# Altium PCB DIOT_temperature_logger.PcbDoc (part 8 of 8)
Units mm, origin at the board's own origin, x right, y up, seen from the top; angles counter-clockwise.
Board outline 300.88 x 109 mm, 4 copper layers (TOP, MID1, MID2, BOT), stack 1.564 mm thick; 654 components, 622 nets, 3422 pads, 1095 vias.
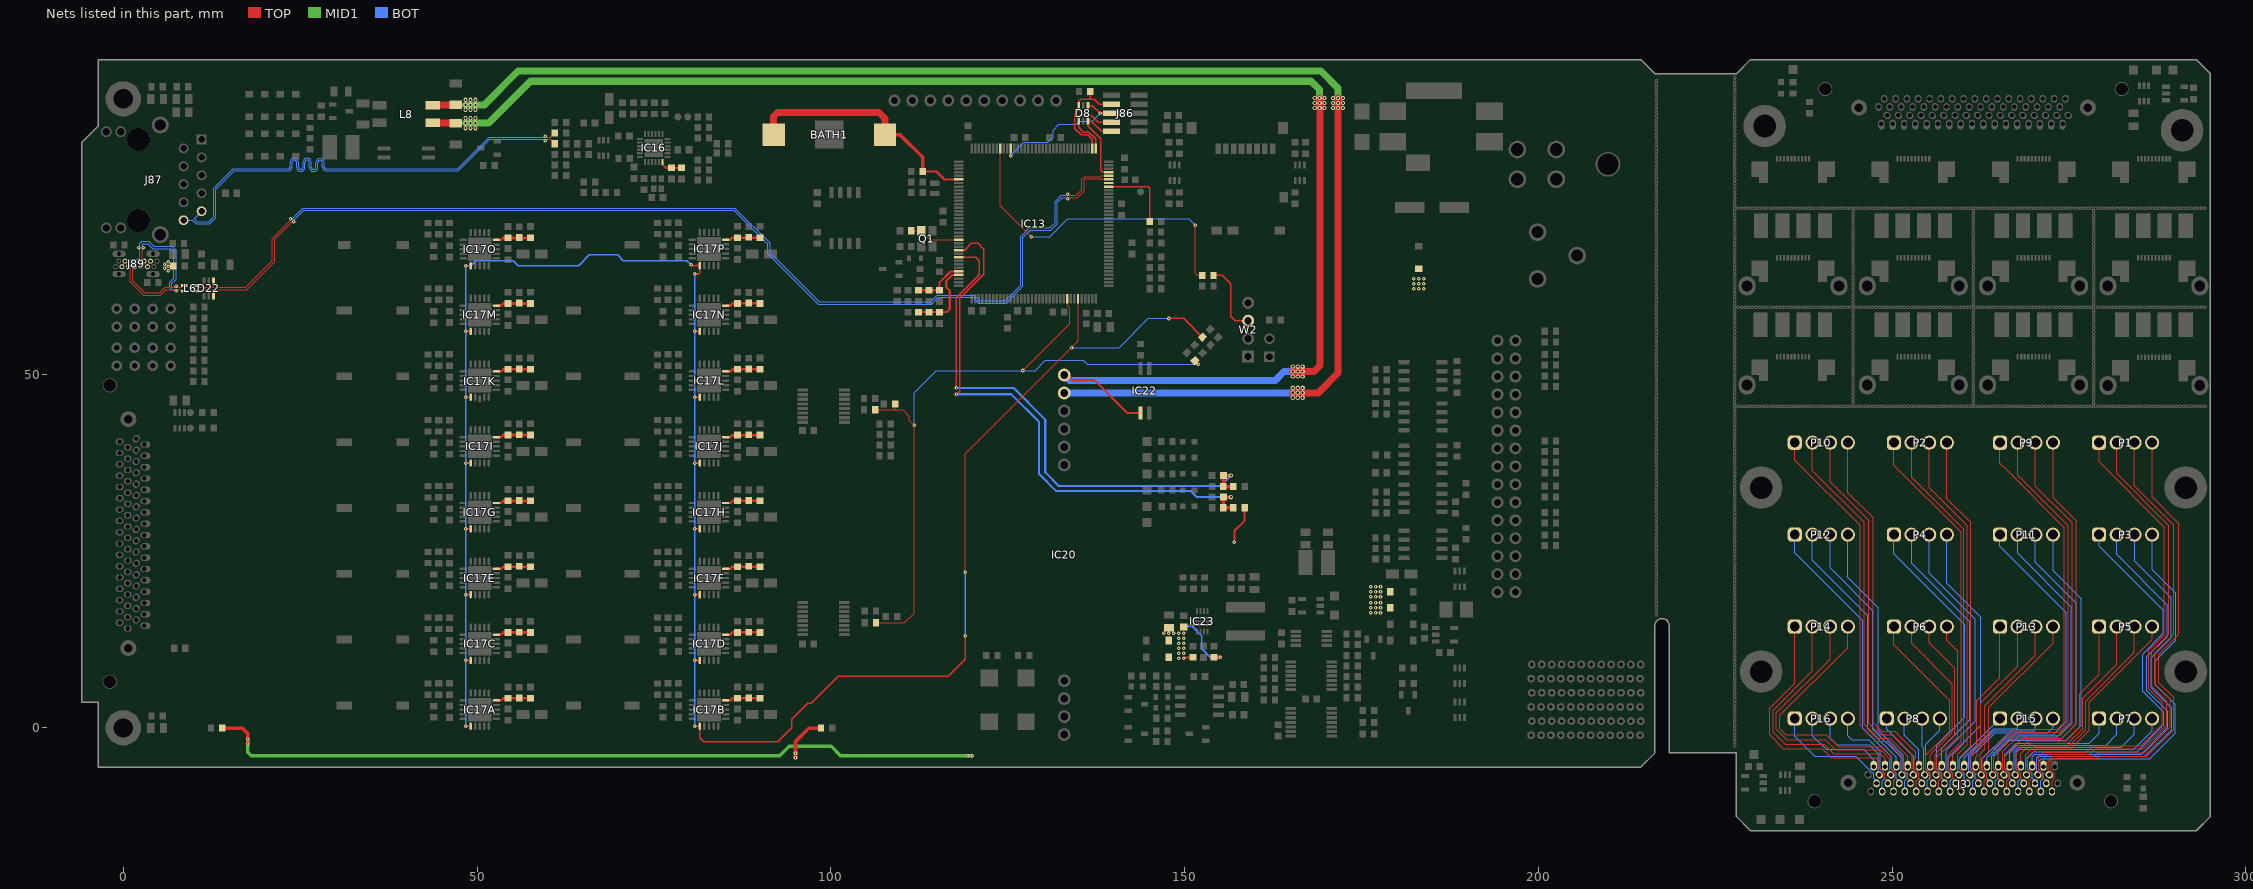
[diagram p10: the nets of this part, all layers, seen from the top]

## Via types
v1: diameter 0.5, hole 0.2, TOP to BOT, tented both sides, 913 vias
v2: diameter 0.5, hole 0.2, TOP to BOT, 98 vias
v3: diameter 0.6, hole 0.3, TOP to BOT, tented both sides, 84 vias

## Nets (pads, with @x,y where several pads share a name; then routed paths per layer and width w, separated by ;. In a path a pad name is that pad's centre, name@x,y a point inside that pad or via, vN(x,y) a via of type N, cw(c..) or ccw(c..) an arc to the next point about the centre after c; other vN are vias at no path point) (continued)
SPI4_MOSI: IC13.67 IC17A.11 IC17B.11 IC17C.11 IC17D.11 IC17E.11 IC17F.11 IC17G.11 IC17H.11 IC17I.11 IC17J.11 IC17K.11 IC17L.11 IC17M.11 IC17N.11 IC17O.11 IC17P.11 R129.1 | length 300
  TOP w0.152: v1(118.98,21.975) 118.98,38.725 134.93,54.675 IC13.67@134.93,60.625
  TOP w0.2: v2(80.255,65.425) 80.355,65.325 81.055,65.325 ; v1(80.78,0.225) IC17B.11@81.48,0.225 81.48,-1.4 82.055,-1.975 92.485,-1.975 94.455,-0.005 94.455,1.185 96.732,3.462 97.217,3.462 101.055,7.3 116.605,7.3 118.98,9.675 v1(118.98,13) ; v1(147.78,57.85) 149.855,57.85 R129.1@152.564,55.141
  TOP w0.254: v1(48.38,0.225) IC17A.11@49.08,0.225 ; v1(48.38,9.525) IC17C.11@49.08,9.525 ; v1(48.38,18.825) IC17E.11@49.08,18.825 ; v1(48.38,28.125) IC17G.11@49.08,28.125 ; v1(48.38,37.425) IC17I.11@49.08,37.425 ; v1(48.38,46.725) IC17K.11@49.08,46.725 ; v1(48.38,56.025) IC17M.11@49.08,56.025 ; v1(48.38,65.3) IC17O.11@49.08,65.3 ; v1(80.78,9.525) IC17D.11@81.48,9.525 ; v1(80.78,18.825) IC17F.11@81.48,18.825 ; v1(80.78,28.125) IC17H.11@81.48,28.125 ; v1(80.78,37.425) IC17J.11@81.48,37.425 ; v1(80.78,46.725) IC17L.11@81.48,46.725 ; v1(80.78,56.025) IC17N.11@81.48,56.025 ; v1(80.78,64.15) 81.33,64.15 81.48,64.3 IC17P.11@81.48,65.325 81.055,65.325
  BOT w0.152: v2(134.014,53.734) 140.764,53.734 144.88,57.85 v1(147.78,57.85)
  BOT w0.2: v1(48.38,0.225) v1(48.38,18.825) v1(48.38,65.3) 49.08,65.3 49.818,66.038 55.143,66.038 55.855,65.325 64.38,65.325 65.88,66.825 69.88,66.825 70.68,66.025 79.655,66.025 v2(80.255,65.425) ; v1@80.78,0.25 v1(80.78,9.525) v1(80.78,18.825) v1(80.78,28.125) v1(80.78,46.725) v1(80.78,56.025) v1(80.78,64.15) ; v1(118.98,13) v1(118.98,21.975)
SPI4_NSS: IC13.64 R126.1 R127.1 R128.1 R131.1 | length 100.6
  TOP w0.152: R127.1@106.38,14.85 110.38,14.85 111.755,16.225 v1(111.755,42.775) 111.105,43.425 111.105,43.975 ; v1(127.13,50.5) 127.155,50.5 133.73,57.075 133.73,57.15
  TOP w0.171: R128.1@106.28,44.95 109.129,44.95 ; R126.1@109.08,45.75 109.129,45.701 109.129,44.95 ; 111.105,43.975 110.13,44.95 109.129,44.95 ; IC13.64@133.43,60.625 133.43,59.7 133.73,59.4 133.73,57.15
  TOP w0.5: R131.1@151.446,51.884 v1(151.955,51.375)
  BOT w0.152: v1(111.755,42.775) 111.755,47.375 114.88,50.5 v1(127.13,50.5) 128.855,50.5 130.28,51.925 135.706,51.925 136.256,51.375 v1(151.955,51.375)
STRIP2: R73.1 | length 6.7
  TOP w0.5: v2(95.005,-4.25) v2(95.005,-3.582) 95.005,-1.935 96.89,-0.05 R73.1@98.6,-0.05
STRIP3: R74.1 | length 110.9
  TOP w0.5: R74.1@14,-0.05 16.845,-0.05 17.595,-0.8 v2(17.595,-1.625) v2(17.595,-2.25)
  MID1 w0.5: v2(17.595,-1.625) v2(17.595,-2.25) 17.595,-3.445 18.1,-3.95 92.76,-3.95 94.1,-2.61 100.05,-2.61 101.415,-3.975 v2(119.342,-3.975) v2(119.967,-3.975)
SWCLK: D8.1 IC13.109 J86.4 | length 11.1
  TOP w0.2: IC13.109@137.43,81.875 137.43,83.25 136.48,84.2 135.68,84.2 135.03,84.85 D8.1@135.03,85.75 135.03,86.428 135.152,86.55 136.805,86.55 137.775,85.58 J86.4@139.63,85.58
SWDIO: D8.3 IC13.105 J86.2 | length 12.9
  TOP w0.2: IC13.105@139.305,78.5 138.43,78.5 138.155,78.775 138.155,83.253 136.33,85.078 D8.3@136.33,85.75 136.818,85.75 138.258,84.31 J86.2@139.63,84.31
TD_N: J87.2 R97.2 | length 67.4
  TOP w0.127: v2(59.655,83.614) 59.829,83.44 60.37,83.44 R97.2@60.98,84.05
  BOT w0.127: J87.2@11.07,73.005 9.995,71.93 10.409,71.516 12.114,71.516 12.81,72.212 12.81,76.23 15.569,78.989 23.051,78.989 23.254,78.989 ccw(c23.254,79.306) 23.571,79.306 23.571,79.914 cw(c24.168,79.914) 24.765,79.914 24.765,79.223 ccw(c25.083,79.223) 25.4,79.223 25.4,79.914 cw(c25.997,79.914) 26.594,79.914 26.594,79.223 ccw(c26.911,79.223) 27.229,79.223 27.229,79.859 cw(c27.826,79.859) 28.423,79.859 28.423,79.306 ccw(c28.74,79.306) 28.74,78.989 30.37,78.989 35.006,78.989 36.58,78.989 47.244,78.989 51.695,83.44 59.481,83.44 v2(59.655,83.614)
TD_P: J87.1 R96.2 | length 67.4
  TOP w0.127: v2(59.655,82.987) 59.829,83.16 60.37,83.16 R96.2@60.98,82.55
  BOT w0.127: J87.1@8.53,71.735 8.565,71.77 9.76,71.77 10.294,71.236 12.23,71.236 13.089,72.096 13.089,76.114 15.684,78.709 23.051,78.709 23.254,78.709 ccw(c23.254,79.306) 23.851,79.306 23.851,79.914 cw(c24.168,79.914) 24.486,79.914 24.486,79.223 ccw(c25.083,79.223) 25.679,79.223 25.679,79.914 cw(c25.997,79.914) 26.314,79.914 26.314,79.223 ccw(c26.911,79.223) 27.508,79.223 27.508,79.859 cw(c27.826,79.859) 28.143,79.859 28.143,79.306 ccw(c28.74,79.306) 28.74,78.709 30.37,78.709 35.006,78.709 36.58,78.709 47.359,78.709 51.81,83.16 59.481,83.16 v2(59.655,82.987)
TDI: D8.6 IC13.110 J86.8 R77.1 | length 14.9
  TOP w0.2: 136.68,88.85 R77.1@136.68,89.95 R77.1@136.88,90.15 ; IC13.110@136.93,81.875 136.93,83.175 136.28,83.825 135.355,83.825 134.48,84.7 134.48,86.725 135.03,87.275 D8.6@135.03,87.95 135.03,88.594 135.286,88.85 137.205,88.85 137.935,88.12 J86.8@139.63,88.12
TDO: D8.4 IC13.133 J86.6 | length 20.5
  TOP w0.152: v1(125.43,80.875) IC13.133@125.43,81.875
  TOP w0.2: D8.4@136.33,87.95 136.955,87.95 138.055,86.85 v1(138.08,86.85) J86.6@139.63,86.85
  BOT w0.152: v1(125.43,80.875) 127.28,82.725 130.655,82.725 131.405,83.475 131.405,84.475 132.205,85.275 134.78,85.275 135.23,85.725 136.955,85.725 v1(138.08,86.85)
TFORCE_N00: J3.36 P1.4 | length 68.1
  TOP w0.152: J3.36@272.585,-9 272.585,-7.47 272.932,-7.122 272.932,-6.471 272.33,-5.868 272.33,-4.796 272.8,-4.325 279.08,-4.325 279.38,-4.025 286.005,-4.025 289.755,-0.275 289.755,4.325 287.68,6.4 287.68,10.4 290.505,13.225 290.505,28.875 286.73,32.65 P1.4@286.73,40.3
TFORCE_N01: J3.38 P3.4 | length 57.3
  BOT w0.152: J3.38@270.985,-9 270.985,-7.47 271.332,-7.122 271.332,-6.471 270.73,-5.868 270.73,-4.725 271.105,-4.35 286.38,-4.35 289.98,-0.75 289.98,3.3 287.18,6.1 287.18,9.475 290.055,12.35 290.055,19 286.73,22.325 P3.4@286.73,27.3
TFORCE_N02: J3.40 P5.4 | length 33.8
  TOP w0.152: J3.40@269.385,-9 269.385,-7.47 269.732,-7.122 269.732,-6.471 269.13,-5.868 269.13,-4.275 270.43,-2.975 275.23,-2.975 277.83,-0.375 277.83,3.6 286.73,12.5 P5.4@286.73,14.3
TFORCE_N03: J3.42 P7.4 | length 28.2
  BOT w0.152: J3.42@267.785,-9 267.785,-7.47 268.132,-7.122 268.132,-6.471 267.53,-5.868 267.53,-3.396 267.875,-3.05 284.102,-3.05 286.73,-0.422 P7.4@286.73,1.3
TFORCE_N04: J3.44 P9.4 | length 58.4
  TOP w0.152: J3.44@266.185,-9 266.185,-7.47 266.532,-7.122 266.532,-6.471 265.93,-5.868 265.93,-4 268.48,-1.45 273.955,-1.45 276.005,0.6 276.005,29.25 272.73,32.525 P9.4@272.73,40.3
TFORCE_N05: J3.46 P11.4 | length 48.1
  BOT w0.152: J3.46@264.585,-9 264.585,-7.47 264.932,-7.122 264.932,-6.471 264.33,-5.868 264.33,-4.046 266.587,-1.788 274.567,-1.788 276.705,0.35 276.705,18.25 272.73,22.225 P11.4@272.73,27.3
TFORCE_N06: J3.48 P13.4 | length 27.8
  TOP w0.152: J3.48@262.985,-9 262.985,-7.47 263.332,-7.122 263.332,-6.471 262.78,-5.919 262.731,-5.87 262.731,-4.274 263.655,-3.35 263.655,2.9 272.73,11.975 P13.4@272.73,14.3
TFORCE_N07: J3.50 P15.4 | length 19.9
  BOT w0.152: J3.50@261.385,-9 261.385,-7.47 261.732,-7.122 261.732,-6.471 261.13,-5.868 261.13,-4.091 264.55,-0.671 272.009,-0.671 272.73,0.05 P15.4@272.73,1.3
TFORCE_N08: J3.52 P2.4 | length 51.7
  TOP w0.152: P2.4@257.73,40.3 257.73,32.4 261.08,29.05 261.08,-2.59 259.53,-4.141 259.53,-5.868 260.132,-6.471 260.132,-7.122 259.785,-7.47 J3.52@259.785,-9
TFORCE_N09: J3.54 P4.4 | length 40.6
  BOT w0.152: P4.4@257.73,27.3 257.73,20.4 262.505,15.625 262.505,0.375 257.93,-4.2 257.93,-5.868 258.532,-6.471 258.532,-7.122 258.185,-7.47 J3.54@258.185,-9
TFORCE_N10: J3.56 P6.4 | length 25.5
  TOP w0.152: J3.56@256.585,-9 256.585,-7.47 256.932,-7.122 256.932,-6.471 256.33,-5.868 256.33,-4.175 259.23,-1.275 259.23,10.85 257.73,12.35 P6.4@257.73,14.3
TFORCE_N11: J3.58 P8.4 | length 11.5
  BOT w0.152: J3.58@254.985,-9 254.985,-7.47 255.332,-7.122 255.332,-6.471 254.73,-5.868 254.73,-2.35 256.73,-0.35 P8.4@256.73,1.3
TFORCE_N12: J3.60 P10.4 | length 54.9
  TOP w0.152: P10.4@243.73,40.3 243.73,33.25 247.305,29.675 247.305,0.75 248.505,-0.45 250.355,-0.45 253.355,-3.45 253.355,-4.225 253.13,-4.45 253.13,-5.868 253.732,-6.471 253.732,-7.122 253.385,-7.47 J3.60@253.385,-9
TFORCE_N13: J3.62 P12.4 | length 39.9
  BOT w0.152: P12.4@243.73,27.3 243.73,21.25 248.005,16.975 248.005,-0.35 251.53,-3.875 251.53,-5.868 252.132,-6.471 252.132,-7.122 251.785,-7.47 J3.62@251.785,-9
TFORCE_N14: J3.64 P14.4 | length 41.1
  TOP w0.152: P14.4@243.73,14.3 243.73,11.35 234.13,1.75 234.13,-0.125 234.98,-0.975 240.695,-0.975 242.42,-2.7 248.505,-2.7 249.93,-4.125 249.93,-5.868 250.532,-6.471 250.532,-7.122 250.185,-7.47 J3.64@250.185,-9
TFORCE_N15: J3.66 P16.4 | length 14
  BOT w0.152: P16.4@243.73,1.3 243.73,-1.145 244.26,-1.675 246.68,-1.675 248.33,-3.325 248.33,-5.868 248.932,-6.471 248.932,-7.122 248.585,-7.47 J3.66@248.585,-9
TFORCE_P00: J3.37 P1.1 | length 68.9
  TOP w0.152: J3.37@271.785,-7.85 271.785,-7.56 271.38,-7.155 271.38,-6.518 270.73,-5.868 270.73,-4.075 271.38,-3.425 277.455,-3.425 278.33,-2.55 285.105,-2.55 285.125,-2.57 288.18,0.485 288.18,3.6 286.267,5.513 286.267,10.961 288.467,13.161 288.467,28.343 279.23,37.58 P1.1@279.23,40.3
TFORCE_P01: J3.39 P3.1 | length 58.4
  BOT w0.152: J3.39@270.185,-7.85 270.185,-7.56 269.78,-7.155 269.78,-6.518 269.08,-5.818 269.08,-4.2 269.93,-3.35 284.605,-3.35 288.355,0.4 288.355,2.2 285.405,5.15 285.405,10.425 288.317,13.337 288.317,16.588 279.23,25.675 P3.1@279.23,27.3
TFORCE_P02: J3.41 P5.1 | length 30.6
  TOP w0.152: J3.41@268.585,-7.85 268.585,-7.56 268.18,-7.155 268.18,-6.518 267.53,-5.868 267.53,-3.525 269.205,-1.85 274.605,-1.85 276.505,0.05 276.505,4.825 279.23,7.55 P5.1@279.23,14.3
TFORCE_P03: J3.43 P7.1 | length 21.2
  BOT w0.152: J3.43@266.985,-7.85 266.985,-7.56 266.58,-7.155 266.58,-6.518 265.88,-5.818 265.88,-3.83 267.559,-2.15 277.88,-2.15 279.23,-0.8 P7.1@279.23,1.3
TFORCE_P04: J3.45 P9.1 | length 60.2
  TOP w0.152: P9.1@265.23,40.3 265.23,37.4 266.451,36.179 266.451,36.159 274.33,28.28 274.33,0.725 273.38,-0.225 267.08,-0.225 264.33,-2.975 264.33,-5.868 264.98,-6.518 264.98,-7.155 265.385,-7.56 J3.45@265.385,-7.85
TFORCE_P05: J3.47 P11.1 | length 48.3
  BOT w0.152: J3.47@263.785,-7.85 263.785,-7.56 263.38,-7.155 263.38,-6.518 262.68,-5.818 262.68,-4.459 266.189,-0.95 272.795,-0.95 274.63,0.885 274.63,16.25 265.23,25.65 P11.1@265.23,27.3
TFORCE_P06: J3.49 P13.1 | length 24.4
  TOP w0.152: J3.49@262.185,-7.85 262.185,-7.56 261.78,-7.155 261.78,-6.518 261.005,-5.744 261.005,-4.05 261.355,-3.7 261.355,-3.2 261.98,-2.575 261.98,3.8 265.23,7.05 P13.1@265.23,14.3
TFORCE_P07: J3.51 P15.1 | length 12
  BOT w0.152: J3.51@260.585,-7.85 260.585,-7.56 260.18,-7.155 260.18,-6.518 259.48,-5.818 259.48,-4.45 P15.1@265.23,1.3
TFORCE_P08: J3.53 P2.1 | length 53.3
  TOP w0.152: P2.1@250.23,40.3 250.23,37.125 259.73,27.625 259.73,-1.975 257.93,-3.775 257.93,-5.868 258.58,-6.518 258.58,-7.155 258.985,-7.56 J3.53@258.985,-7.85
TFORCE_P09: J3.55 P4.1 | length 41.4
  BOT w0.152: P4.1@250.23,27.3 250.23,24.6 260.28,14.55 260.28,1.525 256.28,-2.475 256.28,-5.818 256.98,-6.518 256.98,-7.155 257.385,-7.56 J3.55@257.385,-7.85
TFORCE_P10: J3.57 P6.1 | length 27.2
  TOP w0.152: P6.1@250.23,14.3 250.23,11.719 258.105,3.844 258.105,-0.475 254.73,-3.85 254.73,-5.868 255.38,-6.518 255.38,-7.155 255.785,-7.56 J3.57@255.785,-7.85
TFORCE_P11: J3.59 P8.1 | length 11.2
  BOT w0.152: P8.1@249.23,1.3 249.23,-0.225 253.08,-4.075 253.08,-5.818 253.78,-6.518 253.78,-7.155 254.185,-7.56 J3.59@254.185,-7.85
TFORCE_P12: J3.61 P10.1 | length 55.8
  TOP w0.152: P10.1@236.23,40.3 236.23,37.85 245.455,28.625 245.455,0.35 247.73,-1.925 249.23,-1.925 251.53,-4.225 251.53,-5.868 252.18,-6.518 252.18,-7.155 252.585,-7.56 J3.61@252.585,-7.85
TFORCE_P13: J3.63 P12.1 | length 41.3
  BOT w0.152: P12.1@236.23,27.3 236.23,24.775 245.855,15.15 245.855,-0.05 249.88,-4.075 249.88,-5.818 250.58,-6.518 250.58,-7.155 250.985,-7.56 J3.63@250.985,-7.85
TFORCE_P14: J3.65 P14.1 | length 37.5
  TOP w0.152: P14.1@236.23,14.3 236.23,6.335 232.68,2.785 232.68,-1 234.605,-2.925 240.13,-2.925 241.405,-4.2 247.68,-4.2 248.155,-4.675 248.155,-5.694 248.98,-6.518 248.98,-7.155 249.385,-7.56 J3.65@249.385,-7.85
TFORCE_P15: J3.67 P16.1 | length 17.4
  BOT w0.152: P16.1@236.23,1.3 236.23,-1.2 239.03,-4 244.861,-4 246.611,-5.75 247.38,-6.518 247.38,-7.155 247.785,-7.56 J3.67@247.785,-7.85
TRTDIN_N00: J3.2 P1.3 | length 65.8
  TOP w0.152: J3.2@272.185,-6.65 272.05,-6.515 272.05,-4.68 272.705,-4.025 278.555,-4.025 279.03,-3.55 285.63,-3.55 289.305,0.125 289.305,4.062 287.13,6.237 287.13,10.55 289.805,13.225 289.805,28.625 284.23,34.2 P1.3@284.23,40.3
TRTDIN_N01: J3.4 P3.3 | length 55.3
  BOT w0.152: J3.4@270.585,-6.65 270.45,-6.515 270.45,-4.225 270.625,-4.05 285.705,-4.05 289.48,-0.275 289.48,2.755 286.605,5.63 286.605,9.875 289.455,12.725 289.455,18.35 284.28,23.525 284.28,27.25 P3.3@284.23,27.3
TRTDIN_N02: J3.6 P5.3 | length 30.3
  TOP w0.152: J3.6@268.985,-6.65 268.88,-6.545 268.88,-6.014 268.85,-5.984 268.85,-3.83 270.13,-2.55 275.055,-2.55 277.33,-0.275 277.33,3.775 284.23,10.675 P5.3@284.23,14.3
TRTDIN_N03: J3.8 P7.3 | length 23.6
  BOT w0.152: J3.8@267.385,-6.65 267.25,-6.515 267.25,-3.28 267.78,-2.75 282.38,-2.75 284.23,-0.9 P7.3@284.23,1.3
TRTDIN_N04: J3.10 P9.3 | length 56.6
  TOP w0.152: J3.10@265.785,-6.65 265.68,-6.545 265.68,-6.014 265.65,-5.984 265.65,-3.33 267.93,-1.05 273.755,-1.05 275.43,0.625 275.43,28.975 270.23,34.175 P9.3@270.23,40.3
TRTDIN_N05: J3.12 P11.3 | length 45.7
  BOT w0.152: J3.12@264.185,-6.65 264.05,-6.515 264.05,-3.93 266.471,-1.509 273.896,-1.509 276.005,0.6 276.005,17.6 270.23,23.375 P11.3@270.23,27.3
TRTDIN_N06: J3.14 P13.3 | length 24.2
  TOP w0.152: J3.14@262.585,-6.65 262.48,-6.545 262.48,-6.014 262.452,-5.986 262.452,-3.628 263.08,-3 263.08,3.125 270.23,10.275 P13.3@270.23,14.3
TRTDIN_N07: J3.16 P15.3 | length 15.2
  BOT w0.152: J3.16@260.985,-6.65 260.85,-6.515 260.85,-3.975 264.434,-0.391 270.071,-0.391 270.23,-0.232 P15.3@270.23,1.3
TRTDIN_N08: J3.18 P2.3 | length 50
  TOP w0.152: P2.3@255.23,40.3 255.23,33.9 260.58,28.55 260.58,-2.4 259.25,-3.73 259.25,-5.984 259.28,-6.014 259.28,-6.545 J3.18@259.385,-6.65
  BOT w0.152: J3.18@259.25,-6.515 J3.18@259.385,-6.65
TRTDIN_N09: J3.20 P4.3 | length 38.4
  BOT w0.152: P4.3@255.23,27.3 255.23,21.85 261.73,15.35 261.73,0.9 257.65,-3.18 257.65,-6.515 J3.20@257.785,-6.65
TRTDIN_N10: J3.22 P6.3 | length 23.7
  TOP w0.152: P6.3@255.23,14.3 255.23,12.05 258.855,8.425 258.855,-0.95 256.05,-3.755 256.05,-5.984 256.08,-6.014 256.08,-6.545 J3.22@256.185,-6.65
TRTDIN_N11: J3.24 P8.3 | length 8.1
  BOT w0.152: P8.3@254.23,1.3 254.23,-2.66 254.45,-2.88 254.45,-6.515 J3.24@254.585,-6.65
TRTDIN_N12: J3.26 P10.3 | length 52.8
  TOP w0.152: P10.3@241.23,40.3 241.23,34.8 246.68,29.35 246.68,0.65 248.305,-0.975 250.055,-0.975 252.85,-3.77 252.85,-5.984 252.88,-6.014 252.88,-6.545 J3.26@252.985,-6.65
TRTDIN_N13: J3.28 P12.3 | length 38.2
  BOT w0.152: P12.3@241.23,27.3 241.23,22.6 247.28,16.55 247.28,-0.175 251.25,-4.145 251.25,-6.515 J3.28@251.385,-6.65
TRTDIN_N14: J3.30 P14.3 | length 37.8
  TOP w0.152: P14.3@241.23,14.3 241.23,9.725 233.605,2.1 233.605,-0.234 235.071,-1.7 240.57,-1.7 241.995,-3.125 248.355,-3.125 249.65,-4.42 249.65,-5.984 249.68,-6.014 249.68,-6.545 J3.30@249.785,-6.65
TRTDIN_N15: J3.32 P16.3 | length 13.5
  BOT w0.152: P16.3@241.23,1.3 241.23,-1.45 242.18,-2.4 246.78,-2.4 248.05,-3.67 248.05,-6.515 J3.32@248.185,-6.65
TRTDIN_P00: J3.3 P1.2 | length 65.4
  TOP w0.152: J3.3@271.385,-5.5 271.385,-4.295 271.955,-3.725 277.93,-3.725 278.667,-2.988 285.492,-2.988 288.821,0.341 288.821,3.734 286.705,5.85 286.705,10.825 289.105,13.225 289.105,28.575 281.73,35.95 P1.2@281.73,40.3
TRTDIN_P01: J3.5 P3.2 | length 54.9
  BOT w0.152: J3.5@269.785,-5.5 269.785,-4.07 270.15,-3.704 285.176,-3.704 288.93,0.05 288.93,2.35 286.005,5.275 286.005,10.025 288.88,12.9 288.88,17.35 281.73,24.5 P3.2@281.73,27.3
TRTDIN_P02: J3.7 P5.2 | length 28.4
  TOP w0.152: J3.7@268.185,-5.5 268.185,-3.67 269.664,-2.191 274.814,-2.191 276.905,-0.1 276.905,4.19 281.73,9.015 P5.2@281.73,14.3
TRTDIN_P03: J3.9 P7.2 | length 20.4
  BOT w0.152: J3.9@266.585,-5.5 266.585,-3.545 267.68,-2.45 267.685,-2.45 267.705,-2.429 280.226,-2.429 281.73,-0.925 P7.2@281.73,1.3
TRTDIN_P04: J3.11 P9.2 | length 56.4
  TOP w0.152: J3.11@264.985,-5.5 264.985,-3.195 267.58,-0.6 273.605,-0.6 274.88,0.675 274.88,28.559 267.73,35.709 P9.2@267.73,40.3
TRTDIN_P05: J3.13 P11.2 | length 45
  BOT w0.152: J3.13@263.385,-5.5 263.385,-4.195 266.351,-1.229 273.351,-1.229 275.33,0.75 275.33,17.05 267.73,24.65 P11.2@267.73,27.3
TRTDIN_P06: J3.15 P13.2 | length 22.3
  TOP w0.152: J3.15@261.785,-5.5 261.785,-4.145 262.005,-3.925 262.005,-3.375 262.53,-2.85 262.53,3.525 267.73,8.725 P13.2@267.73,14.3
TRTDIN_P07: J3.17 P15.2 | length 11.8
  BOT w0.152: J3.17@260.185,-5.5 260.185,-4.245 264.318,-0.112 267.517,-0.112 267.73,0.101 P15.2@267.73,1.3
TRTDIN_P08: J3.19 P2.2 | length 49.5
  TOP w0.152: P2.2@252.73,40.3 252.73,35.425 260.105,28.05 260.105,-2.25 258.585,-3.77 J3.19@258.585,-5.5
TRTDIN_P09: J3.21 P4.2 | length 37.9
  BOT w0.152: P4.2@252.73,27.3 252.73,23.274 260.98,15.024 260.98,1.125 256.985,-2.87 J3.21@256.985,-5.5
TRTDIN_P10: J3.23 P6.2 | length 23.5
  TOP w0.152: P6.2@252.73,14.3 252.73,11.925 258.48,6.175 258.48,-0.675 255.385,-3.77 J3.23@255.385,-5.5
TRTDIN_P11: J3.25 P8.2 | length 7.7
  BOT w0.152: P8.2@251.73,1.3 251.73,-1.025 253.785,-3.08 J3.25@253.785,-5.5
TRTDIN_P12: J3.27 P10.2 | length 52.3
  TOP w0.152: P10.2@238.73,40.3 238.73,36.325 246.03,29.025 246.03,0.525 248.005,-1.45 249.63,-1.45 252.185,-4.005 J3.27@252.185,-5.5
TRTDIN_P13: J3.29 P12.2 | length 37.7
  BOT w0.152: P12.2@238.73,27.3 238.73,23.7 246.555,15.875 246.555,-0.125 250.585,-4.155 J3.29@250.585,-5.5
TRTDIN_P14: J3.31 P14.2 | length 35.7
  TOP w0.152: P14.2@238.73,14.3 238.73,8.051 233.18,2.501 233.18,-0.63 234.85,-2.3 240.38,-2.3 241.755,-3.675 248.28,-3.675 248.985,-4.38 J3.31@248.985,-5.5
TRTDIN_P15: J3.33 P16.2 | length 13.5
  BOT w0.152: P16.2@238.73,1.3 238.73,-1.1 240.68,-3.05 245.955,-3.05 247.385,-4.48 J3.33@247.385,-5.5
Tx: R91.2 W2.3 | length 10.3
  TOP w0.2: R91.2@154.08,63.95 155.305,63.95 156.505,62.75 156.505,58.15 157.125,57.53 W2.3@158.98,57.53
TXD: IC13.136 R91.1 | length 46.8
  TOP w0.127: IC13.136@123.93,81.875 123.93,73.75 v1(128.305,69.375) ; v1(151.505,71) 151.505,64.25 151.805,63.95 R91.1@152.48,63.95
  BOT w0.152: v1(128.305,69.375) 130.905,69.375 133.48,71.95 150.555,71.95 v1(151.505,71)
U_meas_P3V3: C21.2 IC13.28 R63.1 R65.2 | length 75.9
  TOP w0.2: v1(117.755,48.05) 117.755,60.775 120.98,64 120.98,65.975 120.455,66.5 IC13.28@118.055,66.5
  TOP w0.5: v3(156.53,35.65) C21.2@155.48,35.65 R65.2@155.48,34.1 R63.1@156.88,34.1
  BOT w0.3: v1(117.755,48.05) 125.805,48.05 130.305,43.55 130.305,36.1 132.23,34.175 155.055,34.175 v3(156.53,35.65)
U_meas_P12V0: C18.2 IC13.26 R57.1 R58.2 | length 79.4
  TOP w0.2: v1@117.78,47.15 118.23,47.6 118.23,47.85 118.232,47.852 118.232,48.248 118.23,48.25 118.23,60.725 121.63,64.125 121.63,67.65 120.83,68.45 119.855,68.45 118.905,67.5 IC13.26@118.055,67.5
  TOP w0.5: v3(156.53,32.6) C18.2@155.48,32.6 R58.2@155.48,31.1 R57.1@156.88,31.1
  BOT w0.3: v1@117.78,47.15 125.505,47.15 129.43,43.225 129.43,35.875 131.855,33.45 150.905,33.45 151.755,32.6 v3(156.53,32.6)
  other v1: 117.755,47.15
USB_ID: IC13.102
USB_N: D22.3 IC13.103 L6.2 | length 157.7
  TOP w0.16: L6.2@10.33,61.7 10.58,61.7 10.7,61.82 10.7,61.85 10.794,61.944 11.688,61.944 12.685,61.944 12.73,61.899 ; D22.3@12.73,61 12.73,61.899 ; v1(24.08,71.5) 23.855,71.5 21.379,69.024 21.379,65.882 17.441,61.944 12.775,61.944 12.73,61.899 ; v1(133.455,74.775) 133.547,74.775 133.704,74.932 134.814,74.932 135.801,75.919 135.801,77.373 136.022,77.594 138.186,77.594 138.28,77.5 IC13.103@139.305,77.5
  BOT w0.16: v1(24.08,71.5) 24.08,71.733 25.492,73.145 86.287,73.145 91.093,68.338 91.093,67.012 98.217,59.888 114.234,59.888 115.172,60.825 120.113,60.825 120.905,60.033 124.782,60.033 127.151,62.402 127.151,69.286 128.198,70.333 131.087,70.333 132.022,71.268 132.022,74.248 132.706,74.932 133.206,74.932 133.363,74.775 v1(133.455,74.775)
USB_P: D22.4 IC13.104 L6.3 | length 157.8
  TOP w0.16: L6.3@10.33,62.5 10.58,62.5 10.7,62.38 10.7,62.35 10.794,62.256 11.559,62.256 12.685,62.256 12.73,62.301 ; D22.4@12.73,63.2 12.73,62.301 ; v1(23.637,71.943) 23.637,71.724 21.066,69.153 21.066,66.011 17.311,62.256 12.775,62.256 12.73,62.301 ; v1(133.455,75.402) 133.547,75.402 133.704,75.245 134.685,75.245 135.488,76.049 135.488,77.502 135.893,77.906 138.186,77.906 138.28,78 IC13.104@139.305,78
  BOT w0.16: v1(23.637,71.943) 23.739,71.841 23.88,71.982 23.887,71.982 25.362,73.457 86.416,73.457 91.406,68.468 91.406,67.141 98.347,60.2 114.105,60.2 115.043,61.138 120.243,61.138 121.034,60.346 124.653,60.346 126.838,62.532 126.838,69.416 128.069,70.646 130.957,70.646 131.709,71.398 131.709,74.377 132.576,75.245 133.206,75.245 133.363,75.402 v1(133.455,75.402)
USB_VBUS: IC13.101 R141.2 | length 10.7
  TOP w0.2: IC13.101@139.305,76.5 142.355,76.5 144.83,76.5 145.08,76.25 145.08,73.775 R141.2@145.08,71.55 R141.2@145.08,71.45
USBJ_N: J89.A7 J89.B7 L6.1 | length 25.2
  TOP w0.16: J89.B7@0.71,65.17 0.71,65.1 1.004,64.806 1.004,63.077 2.923,61.158 5.26,61.158 6.044,61.942 7.206,61.942 7.363,61.785 v1(7.455,61.785) 7.547,61.785 7.704,61.942 8.166,61.942 8.26,61.848 8.26,61.82 8.38,61.7 L6.1@8.63,61.7 ; v1(2.813,67.85) 2.813,67.758 2.667,67.613 2.667,66.313 2.96,66.02 J89.A7@2.96,65.95
  BOT w0.16: v1(2.813,67.85) 2.813,67.942 2.656,68.099 2.656,68.34 2.749,68.434 3.463,68.434 4.179,67.718 6.725,67.718 7.149,67.295 7.149,63.561 6.559,62.971 6.559,62.219 6.835,61.942 7.206,61.942 7.363,61.785 v1(7.455,61.785)
USBJ_P: J89.A6 J89.B6 L6.4 | length 25.3
  TOP w0.16: J89.B6@1.61,65.17 1.61,65.1 1.316,64.806 1.316,63.207 3.053,61.47 5.131,61.47 5.915,62.255 7.206,62.255 7.363,62.412 v1(7.455,62.412) 7.547,62.412 7.704,62.255 8.165,62.255 8.26,62.35 8.26,62.38 8.38,62.5 L6.4@8.63,62.5 ; J89.A6@2.06,65.95 2.06,66.02 2.355,66.315 2.355,67.589 2.186,67.758 v1(2.186,67.85)